# KiCad board SofleKeyboard.kicad_pcb (continued)
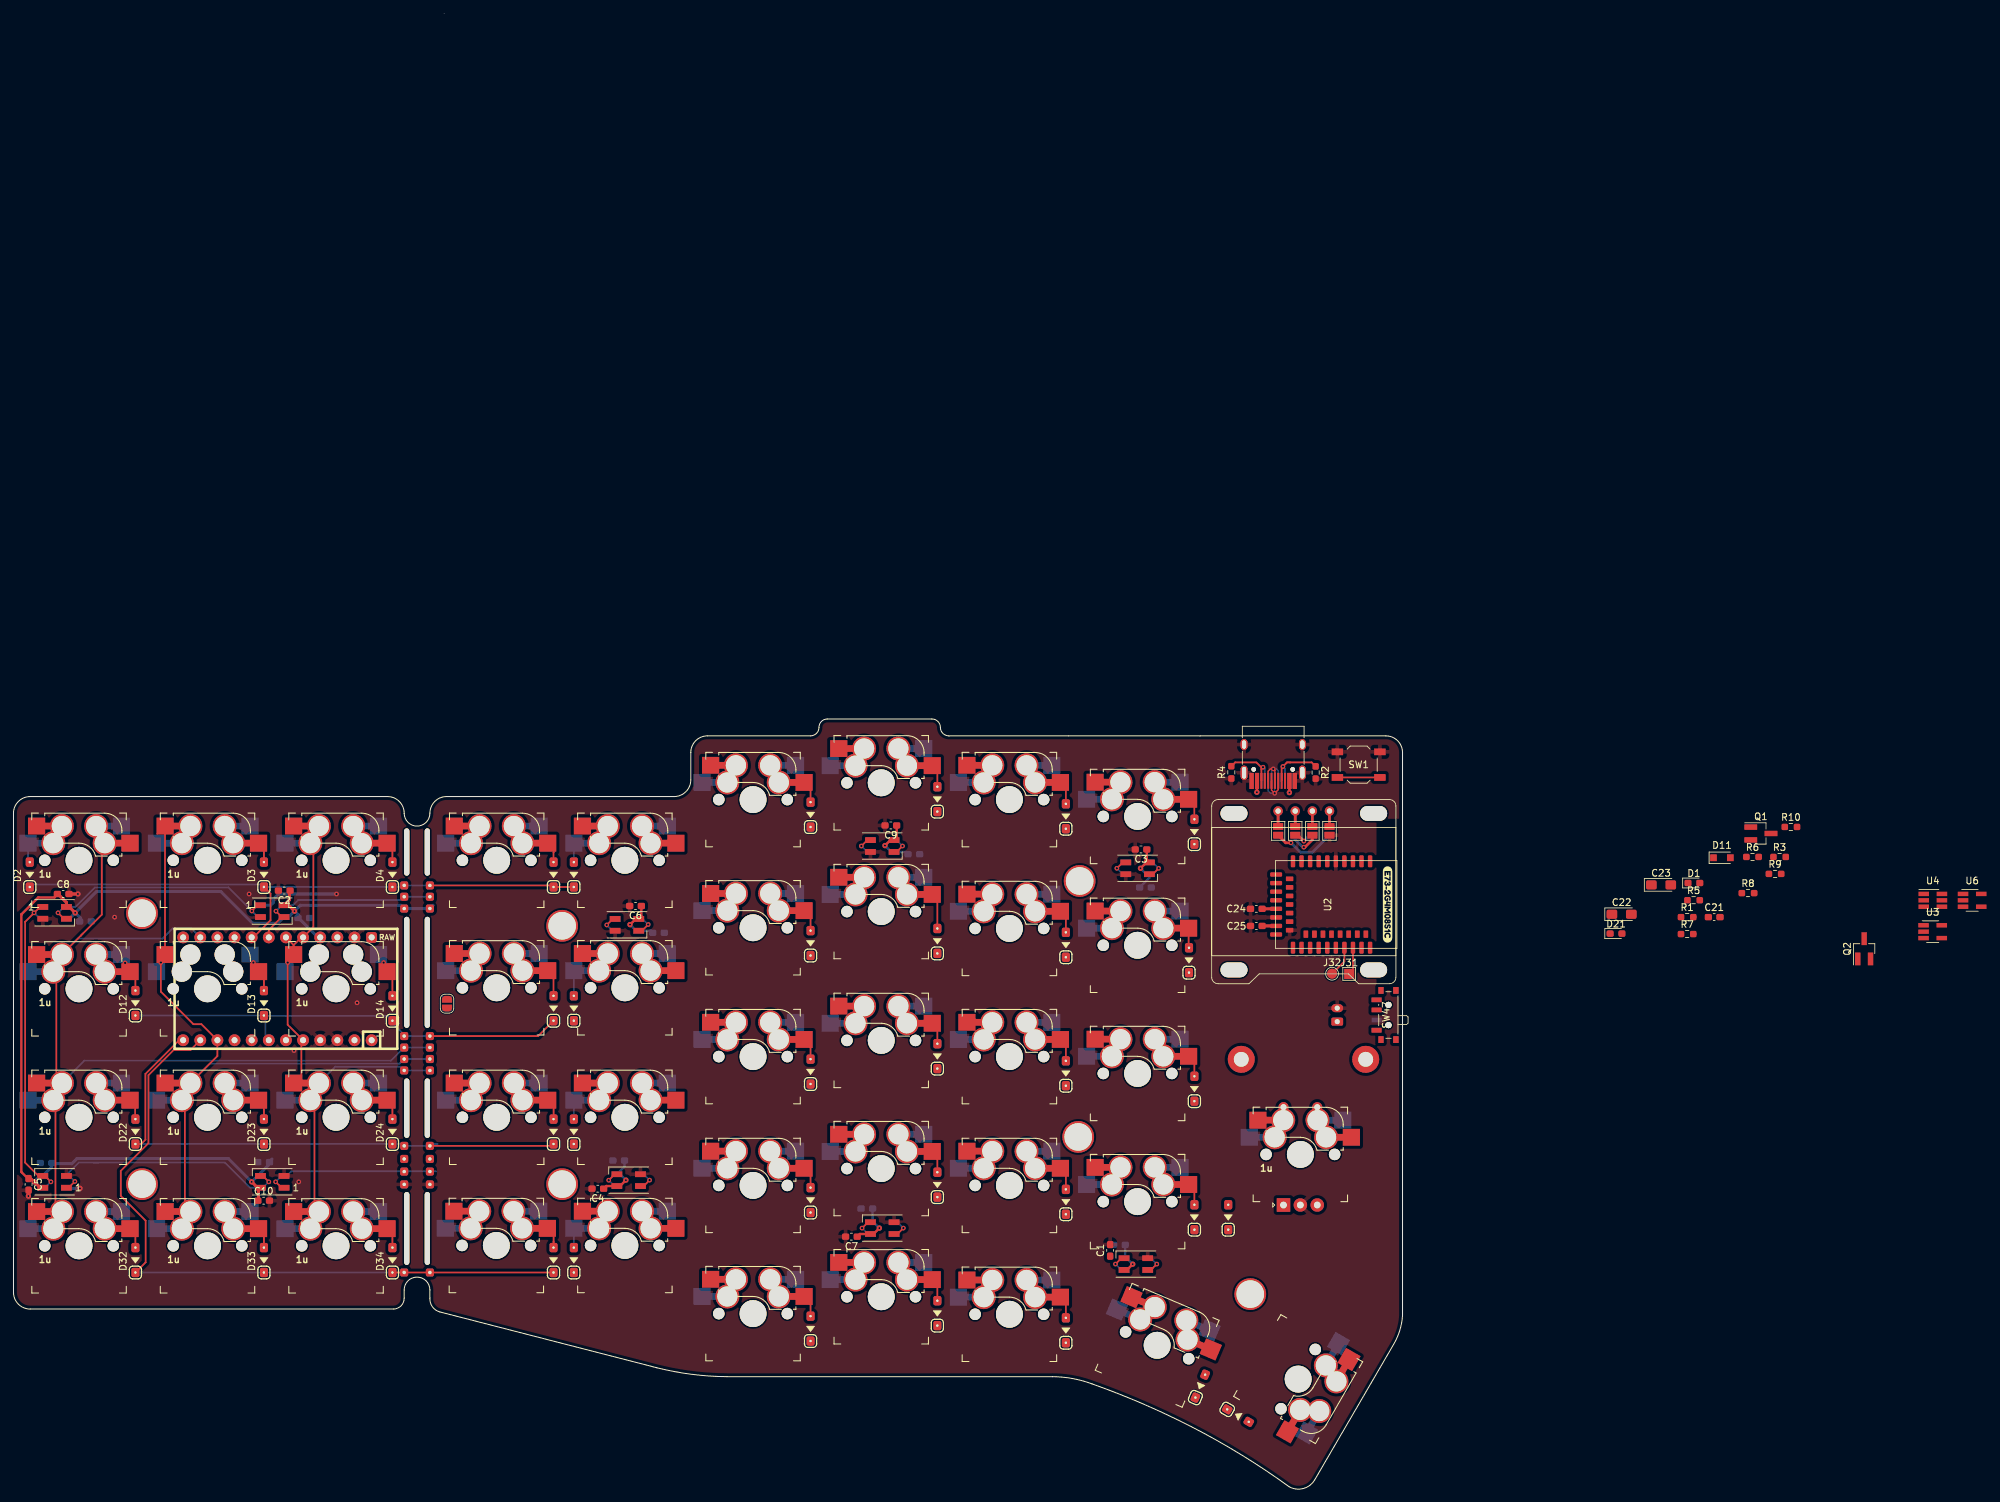
[diagram p0: board, top side]
## Placement (name value [footprint] x y rotation side) (continued)
U4  USBLC6-2SC6  [SOT-23-6_Handsoldering]  284.5 87.2 0 top
U6  TP4054  [SOT-23-5_HandSoldering]  290.33 87.2 0 top

## Library data of the parts
C1-C21 = -: Description: Unpolarized capacitor, small symbol
C22 C23 = -: Description: Polarized capacitor, small US symbol
C24 C25 = -: Description: Unpolarized capacitor
D1 D21 = -: Description: Light emitting diode; LCSC: C375446; LCSC Part Number: C375446
D11 = -: Description: Schottky diode, small symbol
J2 J5 = -: Description: USB 2.0-only Type-C Receptacle connector
J3 = -: Description: Generic connector, single row, 01x04, script generated (kicad-library-utils/schlib/autogen/connector/)
J4 = -: Description: Generic connector, single row, 01x02, script generated (kicad-library-utils/schlib/autogen/connector/)
J6-J29 J31 J32 = -: Description: Generic connector, single row, 01x01, script generated (kicad-library-utils/schlib/autogen/connector/)
JP1-JP10 = -: Description: Solder Jumper, 2-pole, open
Q1 Q2 = -: Description: P-MOSFET transistor, gate/source/drain
R1 R3 R6-R10 = -: Description: Resistor, small symbol
R5 = -: Description: Resistor, small symbol; LCSC: C21190; LCSC Part Number: C21190
SW1 = -: Description: Push button switch, generic, two pins
SW47 SW48 = -: Description: Momentary Switch, single pole double throw
U1 = -: Field4: U1; Field5: ProMicro
U3 = -: Description: 500mA low dropout linear regulator, fixed 3.3V output, SOT-23-5
U4 = -: Description: Very low capacitance ESD protection diode, 2 data-line, SOT-23-6
U6 = -: Description: Single cell, Li-Ion/Li-Po charge management controller, 4.35V, Tri-State Status Output, in SOT23-5 package

## Footprints (pads in the part's own frame, mm; a bottom-side part is the same pattern mirrored in y, then rotated)
128x64OLED
  oval 4x2.2 hole 4x2.2 unplated: (-10.35,11.6) (-10.35,-11.6) (10.35,11.6) (10.35,-11.6)
  round 1.4 hole 0.8: 1(-3.81,11.95) 2(-1.27,11.95) 3(1.27,11.95) 4(3.81,11.95)
C_0603_1608Metric_Pad1.08x0.95mm_HandSolder
  rrect 1.075x0.95 smd: 1(-0.863,0) 2(0.863,0)
Conn_01x01
  rrect 1.2x1.2 hole 0.5: 1(0,0)
CP_EIA-3216-12_Kemet-S_Pad1.58x1.35mm_HandSolder
  rrect 1.575x1.35 smd: 1(-1.438,0) 2(1.438,0)
Cut_hole
  oval 0.762x16.45 hole 0.762x16.45 unplated: (0,-0.85)
Cut_hole#2
  oval 0.762x8.8 hole 0.762x8.8 unplated: (0,0)
Cut_hole#3
  oval 0.762x7 hole 0.762x7 unplated: (0,0)
Cut_hole#4
  oval 0.762x10.8 hole 0.762x10.8 unplated: (0,0)
D_SOD-323_HandSoldering
  rect 1x1 smd: 1(-1.25,0) 2(1.25,0)
Diode
  rrect 1.39x1.2 hole 0.35: 1(1.693,0) 2(-1.997,0)
E73-2G4M08S1C
  rrect 1.77x0.65 smd: 1(-6.401,14.03) 2(-6.401,12.76) 3(-6.401,11.49) 4(-6.401,10.22) 5(-6.401,8.95) 6(-6.401,7.68) 7(-6.401,6.41) 8(-6.401,5.14) 9(-6.401,3.87) 10(-6.401,2.6) 26(6.401,2.6) 27(6.401,3.87) 29(6.401,5.14) 31(6.401,6.41) 33(6.401,7.68) 35(6.401,8.95) 37(6.401,10.22) 39(6.401,11.49) 41(6.401,12.76) 43(6.401,14.03)
  rrect 0.65x1.77 smd: 11(-4.44,0.102) 13(-3.17,0.102) 15(-1.9,0.102) 17(-0.63,0.102) 19(0.64,0.102) 21(1.91,0.102) 23(3.18,0.102) 25(4.45,0.102)
  rrect 0.7x1.1 smd: 12(-3.81,2.1) 14(-2.54,2.1) 16(-1.27,2.1) 18(0,2.1) 20(1.27,2.1) 22(2.54,2.1) 24(3.81,2.1)
  rrect 1.1x0.7 smd: 28(4.4,4.505) 30(4.4,5.775) 32(4.4,7.045) 34(4.4,8.315) 36(4.4,9.585) 38(4.4,10.855) 40(4.4,12.125) 42(4.4,13.395)
Econder
  rect 2x2 hole 1: A(-2.5,-7.5)
  round 2 hole 1: B(2.5,-7.5) C(0,-7.5)
  round 1.5 hole 0.9: S1(-2.5,7) S2(2.5,7)
HOLE_M2_TH
  round 4.7 hole 4.1: (0,0)
JST_PH_S2B-PH-K_1x02_P2.00mm_Horizontal
  rrect 1.2x1.75 hole 0.75: 1(0,0)
  oval 1.2x1.75 hole 0.75: 2(2,0)
LED_0603_1608Metric_Pad1.05x0.95mm_HandSolder
  rrect 1.05x0.95 smd: 1(-0.875,0) 2(0.875,0)
M2_HOLE_PCB
  round 4 hole 2.2: (0,0)
PRO-MICRO
  round 1.753 hole 0.9: B1(7.62,-6.35) B2(7.62,-11.43) B3(7.62,-8.89) B4(-7.62,-11.43) B5(-7.62,-13.97) B6(7.62,-13.97) C6(-7.62,-3.81) D0(-7.62,1.27) D1(-7.62,3.81) D2(-7.62,11.43) D3(-7.62,13.97) D4(-7.62,-1.27) D7(-7.62,-6.35) E6(-7.62,-8.89) F4(7.62,3.81) F5(7.62,1.27) F6(7.62,-1.27) F7(7.62,-3.81) GND(-7.62,6.35) GND(-7.62,8.89) GND(7.62,11.43) RST(7.62,8.89) VCC(7.62,6.35)
  rrect 1.6x1.6 hole 0.9: RAW(7.62,13.97)
R_0603_1608Metric_Pad0.98x0.95mm_HandSolder
  rrect 0.975x0.95 smd: 1(-0.912,0) 2(0.912,0)
SK6812MINI-FLIP
  rect 1.6x0.85 smd: +(1.75,0.875) -(-1.75,-0.875) I(1.75,-0.875) O(-1.75,0.875)
  rect 1.6x0.85 smd far side: +(1.75,-0.875) -(-1.75,0.875) I(1.75,0.875) O(-1.75,-0.875)
SolderJumper-2_P1.3mm_Open_Pad1.0x1.5mm
  rect 1x1.5 smd: 1(-0.65,0) 2(0.65,0)
SolderJumper-2_P1.3mm_Open_RoundedPad1.0x1.5mm
  custom 1x1.5 smd: 1(-0.65,0) 2(0.65,0)
SOT-23-5_HandSoldering
  rect 1.56x0.65 smd: 1(-1.35,0.95) 2(-1.35,0) 3(-1.35,-0.95) 4(1.35,-0.95) 5(1.35,0.95)
SOT-23-6_Handsoldering
  rect 1.56x0.65 smd: 1(-1.35,0.95) 2(-1.35,0) 3(-1.35,-0.95) 4(1.35,-0.95) 5(1.35,0) 6(1.35,0.95)
SOT-23_Handsoldering
  rect 1.9x0.8 smd: 1(-1.5,0.95) 2(-1.5,-0.95) 3(1.5,0)
SW-HS-Flip-1u
  round 1.702 hole 1.702 unplated: (-5.08,0) (5.08,0)
  round 3 hole 3 unplated: (-3.81,2.54) (-2.54,5.08) (2.54,5.08) (3.81,2.54)
  round 3.988 hole 3.988 unplated: (0,0)
  rect 2.55x2.5 smd far side: 1(-7.56,2.54)
  rect 2.55x2.5 smd: 1(-6.29,5.08) 2(7.56,2.54)
  rect 2.55x2.35 smd far side: 2(6.29,5.08)
SW-HS-Flip-1u#2
  round 1.702 hole 1.702 unplated: (-5.08,0) (5.08,0)
  round 3 hole 3 unplated: (-3.81,2.54) (-2.54,5.08) (2.54,5.08) (3.81,2.54)
  round 3.988 hole 3.988 unplated: (0,0)
  rect 2.55x2.5 smd far side: 1(-7.56,2.54) 2(6.29,5.08)
  rect 2.55x2.5 smd: 1(-6.29,5.08) 2(7.56,2.54)
SW-HS_flip-1u
  round 1.702 hole 1.702 unplated: (-5.08,0)
  round 3.988 hole 3.988 unplated: (0,0)
  round 1.7 hole 1.7 unplated: (5.08,0)
  rect 2.55x2.5 smd far side: 1(-7.56,2.54) 2(6.29,5.08)
  rect 2.55x2.5 smd: 1(-6.29,5.08) 2(7.56,2.54)
  rect 2.5x1 smd far side: 1(-5.715,2.54) 2(5.015,5.08)
  rect 2.5x1 smd: 1(-5.015,5.08) 2(5.715,2.54)
  round 3.55 hole 3: 1(-3.81,2.54) 1(-2.54,5.08) 2(2.54,5.08) 2(3.81,2.54)
SW_SPDT_PCM12
  rect 1x0.8 smd: (-3.65,0.78) (-3.65,-1.43) (3.65,0.78) (3.65,-1.43)
  round 0.9 hole 0.9 unplated: (-1.5,-0.33) (1.5,-0.33)
  rect 0.7x1.5 smd: 1(-2.25,1.43) 2(0.75,1.43) 3(2.25,1.43)
SW_SPST_TL3342
  rect 1.7x1 smd: 1(-3.15,1.9) 1(3.15,1.9) 2(-3.15,-1.9) 2(3.15,-1.9)
TestPoint_Pad_1.5x1.5mm
  rect 1.5x1.5 smd: 1(0,0)
TestPoint_Pad_D1.5mm
  round 1.5 smd: 1(0,0)
USB-C-16pin-hight-v2
  round 0.65 hole 0.65 unplated: (-2.89,-2.605) (2.89,-2.605)
  rect 0.6x2.363 smd: A1(3.2,-4.318) A4(2.4,-4.318) A9(-2.4,-4.318) A12(-3.2,-4.318) B1(-3.2,-4.318) B4(-2.4,-4.318) B9(2.4,-4.318) B12(3.2,-4.318)
  rect 0.3x2.366 smd: A5(1.25,-4.31) A6(0.25,-4.31) A7(-0.25,-4.31) A8(-1.25,-4.31) B5(-1.75,-4.31) B6(-0.75,-4.31) B7(0.75,-4.31)
  rect 0.305x2.366 smd: B8(1.75,-4.31)
  oval 1x1.6 hole 0.6x1.2: S1(-4.32,1.075) S1(4.32,1.075)
  oval 1x2.1 hole 0.6x1.7: S1(-4.32,-3.105) S1(4.32,-3.105)

## Nets
+3.3V: Q2.3
+3V3: C1.1 C2.1 C3.1 C4.1 C5.1 C6.1 C7.1 C8.1 C9.1 C10.1 C11.1 C12.1 C13.1 C14.1 C15.1 C16.1 C17.1 C18.1 C19.1 C20.1 J24.1 J25.1 J26.1 J27.1 LED1.+ LED2.+ LED3.+ LED4.+ LED5.+ LED6.+ LED7.+ LED8.+ LED9.+ LED10.+ U1.VCC
+5V: D11.2 D21.2 J2.A4 J2.A9 J2.B4 J2.B9 J5.A4 J5.A9 J5.B4 J5.B9 Q1.1 R8.1 U2.27 U4.5 U6.4
GND: C1.2 C2.2 C3.2 C4.2 C5.2 C6.2 C7.2 C8.2 C9.2 C10.2 C11.2 C12.2 C13.2 C14.2 C15.2 C16.2 C17.2 C18.2 C19.2 C20.2 C21.2 C22.2 C23.2 C24.2 C25.2 J2.A1 J2.A12 J2.B1 J2.B12 J2.S1 J4.2 J5.A1 J5.A12 J5.B1 J5.B12 J5.S1 J16.1 J17.1 JP1.1 JP8.1 LED1.- LED2.- LED3.- LED4.- LED5.- LED6.- LED7.- LED8.- LED9.- LED10.- R2.2 R4.1 R5.1 R6.2 R7.2 R8.2 R10.2 SW1.1 SW31.C U1.GND U2.5 U2.21 U2.24 U3.2 U4.2 U6.2
VBAT: Q1.3 R1.1 SW47.2 SW48.2 U6.3
3.3_TOP: JP2.1 JP7.1
BATTERY_PIN: C21.1 R3.2 R7.1
col0: SW5.1 SW15.1 SW25.1 SW36.1 SW42.1
col1: SW6.2 SW16.2 SW26.2 SW37.2 SW43.1
col1': J18.1 J19.1 SW2.2 SW12.1 SW22.1 SW33.1 U1.B2
col2: SW7.1 SW17.1 SW27.1 SW38.1 SW44.1
col2': J20.1 J21.1 SW3.1 SW13.1 SW23.1 SW34.1 U1.E6
col3: SW8.1 SW18.1 SW28.1 SW39.1 SW45.1
col3': J22.1 J23.1 SW4.1 SW14.1 SW24.1 SW35.1 U1.D1 U1.F4 U1.F5
col4: SW9.1 SW19.1 SW29.1 SW40.1 SW46.1
D+: U2.31 U4.3
D-: U2.29 U4.1
DP+: J2.A6 J2.B6 J5.A6 J5.B6 U4.4
DP-: J2.A7 J2.B7 J5.A7 J5.B7 U4.6
ENCA: SW31.A
ENCB: SW31.B
LED_1: D1.2
nRF_VDD: C23.1 C24.1 C25.1 Q2.2 U2.19 U2.23 U3.5
POWER_PIN: Q2.1 R6.1
RGB_BLACKPILL: LED1.I
RGB_PROMICRO: J14.1 J15.1 JP9.1 JP10.1 LED3.O LED4.I U1.F6
row0: D2.1 D3.1 D4.1 D5.1 D6.1 D7.1 D8.1 D9.1 D10.1 J6.1 J7.1 U1.F7
row1: D12.1 D13.1 D14.1 D15.1 D16.1 D17.1 D18.1 D19.1 D20.1 J8.1 J9.1 U1.D4
row2: D22.1 D23.1 D24.1 D25.1 D26.1 D27.1 D28.1 D29.1 D30.1 J10.1 J11.1 U1.B5
row3: D32.1 D33.1 D34.1 D35.1 D36.1 D37.1 D38.1 D39.1 D40.1 J12.1 J13.1 U1.B4
row4: D41.1 D42.1 D43.1 D44.1 D45.1 D46.1
RST: SW1.2 U2.26
SCL: JP3.1 JP6.1
SDA: JP4.1 JP5.1
SW25A: SW10.1 SW20.1 SW30.1 SW31.S2 SW41.1 SW49.2
SW25B: D46.2 SW31.S1 SW49.1
SWCLK: J31.1 U2.39
SWDIO: J32.1 U2.37
Net-(D1-K): D1.1 R5.2
Net-(D2-A): D2.2 SW2.1
Net-(D3-A): D3.2 SW3.2
Net-(D4-A): D4.2 SW4.2
Net-(D5-A): D5.2 SW5.2
Net-(D6-A): D6.2 SW6.1
Net-(D7-A): D7.2 SW7.2
Net-(D8-A): D8.2 SW8.2
Net-(D9-A): D9.2 SW9.2
Net-(D10-A): D10.2 SW10.2
Net-(D11-K): C22.1 D11.1 Q1.2 U3.1 U3.3
Net-(D12-A): D12.2 SW12.2
Net-(D13-A): D13.2 SW13.2
Net-(D14-A): D14.2 SW14.2
Net-(D15-A): D15.2 SW15.2
Net-(D16-A): D16.2 SW16.1
Net-(D17-A): D17.2 SW17.2
Net-(D18-A): D18.2 SW18.2
Net-(D19-A): D19.2 SW19.2
Net-(D20-A): D20.2 SW20.2
Net-(D21-K): D21.1 R9.1
Net-(D22-A): D22.2 SW22.2
Net-(D23-A): D23.2 SW23.2
Net-(D24-A): D24.2 SW24.2
Net-(D25-A): D25.2 SW25.2
Net-(D26-A): D26.2 SW26.1
Net-(D27-A): D27.2 SW27.2
Net-(D28-A): D28.2 SW28.2
Net-(D29-A): D29.2 SW29.2
Net-(D30-A): D30.2 SW30.2
Net-(D32-A): D32.2 SW33.2
Net-(D33-A): D33.2 SW34.2
Net-(D34-A): D34.2 SW35.2
Net-(D35-A): D35.2 SW36.2
Net-(D36-A): D36.2 SW37.1
Net-(D37-A): D37.2 SW38.2
Net-(D38-A): D38.2 SW39.2
Net-(D39-A): D39.2 SW40.2
Net-(D40-A): D40.2 SW41.2
Net-(D41-A): D41.2 SW42.2
Net-(D42-A): D42.2 SW43.2
Net-(D43-A): D43.2 SW44.2
Net-(D44-A): D44.2 SW45.2
Net-(D45-A): D45.2 SW46.2
Net-(J2-CC1): J2.A5 J5.B5 R2.1
Net-(J2-CC2): J2.B5 J5.A5 R4.2
Net-(J3-Pin_1): J3.1 JP1.2 JP5.2
Net-(J3-Pin_2): J3.2 JP2.2 JP6.2
Net-(J3-Pin_3): J3.3 JP3.2 JP7.2
Net-(J3-Pin_4): J3.4 JP4.2 JP8.2
Net-(J4-Pin_1): J4.1 SW47.1 SW48.3
Net-(J28-Pin_1): J28.1 J29.1 JP9.2 JP10.2 LED7.O LED8.I
Net-(LED1-OUT): LED1.O LED2.I
Net-(LED2-OUT): LED2.O LED3.I
Net-(LED4-OUT): LED4.O LED5.I
Net-(LED5-OUT): LED5.O LED6.I
Net-(LED6-OUT): LED6.O LED7.I
Net-(LED8-OUT): LED8.O LED9.I
Net-(LED10-IN): LED9.O LED10.I
Net-(R1-Pad2): R1.2 R3.1
Net-(SW47-C): SW47.3 SW48.1
Net-(U6-PROG): R10.1 U6.5
Net-(U6-STAT): R9.2 U6.1

Pads without a net: J2 A8 B8; J5 A8 B8; LED10 O; U1 B1 B3 B6 C6 D0 D2 D3 D7 RAW RST; U2 1 2 3 4 6 7 8 9 10 11 12 13 14 15 16 17 18 20 22 25 28 30 32 33 34 35 36 38 40 41 42 43; U3 4

## Via types
v1: diameter 0.7, hole 0.35, Top to Bottom, 38 vias
v2: diameter 0.8, hole 0.3, Top to Bottom, 15 vias

## Routing (per net, layer and track width the routed paths; a pad name or vN(x,y) marks a point on that pad's centre or on a via; arc(x,y) is an arc through that point)
+3V3: length 213.5
  Top w0.35: v2(3.08,45.46) 2.68,45.86 2.24,45.86 1.17,46.92 1.17,85.11 3.68,87.63 6.08,87.63 6.59,88.13 ; v2(167.06,91.94) 167.93,92.82 LED1.+ 167.99,93.2 C3.1 ; v2(91.39,83.59) 92.23,84.44 LED3.+ 93.06,84.82 C6.1 ; C9.1 130.91,96.5 LED2.+ 129.98,96.12 v2(129.18,95.31) ; v2(128.35,38.6) 127.47,37.73 LED9.+ 125.46,37.73 C7.1 ; C4.1 87.87,44.84 LED8.+ 89.9,44.84 v2(90.78,45.72) ; v2(165.9,33.26) 165.04,32.4 LED10.+
  Top w0.45: 40.91,88.64 40.91,87.27 LED4.+ 40.78,86.47 v2(41.66,85.59) ; 6.59,88.13 7.85,86.88 LED5.+ 8.27,86.22 v2(9.14,85.34) ; 36.31,42.67 36.31,44.29 LED7.+ 36.18,44.59 v2(35.31,45.46) ; v2(3.08,45.46) 3.95,44.59 LED6.+
  Bottom w0.35: LED1.+ 167.93,91.07 v2(167.06,91.94) ; LED1.+ 168.4,91.04 ; LED1.+ 168.37,90.54 C15.1 ; v2(129.18,95.31) 130.12,94.37 LED2.+ 132.24,94.37 C11.1 ; C12.1 90.58,47.73 LED8.+ 89.9,46.59 v2(90.78,45.72) ; v2(91.39,83.59) 92.29,82.69 LED3.+ 94.45,82.69 C18.1 ; C13.1 164.79,34.32 LED10.+ 165.01,34.15 v2(165.9,33.26) ; C20.1 127.35,39.81 LED9.+ 127.47,39.48 v2(128.35,38.6)
  Bottom w0.45: U1.VCC 45.13,81.7 42.25,84.58 42.25,85 v2(41.66,85.59) ; 62.2,86.46 J25.1 J24.1 57.43,86.46 42.52,86.46 v2(41.66,85.59) ; v2(41.66,85.59) 40.78,84.72 LED4.+ 39.2,83.82 35.41,83.82 30.72,88.51 12.31,88.51 v2(9.14,85.34) ; v2(9.14,85.34) 8.27,84.47 7.85,84.47 ; v2(9.14,85.34) 9.89,84.59 9.89,84.07 9.89,84.57 ; 38.33,48.86 37.86,48.38 37.86,48.02 36.6,46.76 LED7.+ 36.18,46.34 v2(35.31,45.46) 31.85,48.92 9.41,48.92 8.65,48.16 5.7,48.16 5.6,48.26 5.6,47.59 LED6.+ 3.95,46.34 v2(3.08,45.46)
+5V: length 6.9
  Top w0.35: J2.A4 189.13,103.17 v2(189.13,103.17) ; J2.A9 184.33,103.24 v2(184.31,103.22)
  Bottom w0.35: J2.A9 184.33,103.24 v2(184.31,103.22) ; J2.A4 189.13,103.17 v2(189.13,103.17) 189.08,103.22
GND: length 17.1
  Top w0.25: 2.43,44.59 2,44.59
  Top w0.45: 8.14,88.13 v2(9.55,88.13) ; v2(2.21,43.35) 2.24,43.38 2.24,44.31
  Bottom w0.45: LED4.- 38.11,86.47 38.49,86.85 38.49,87.36 39.27,88.13 v1(47.88,88.13) ; v2(9.86,44.5) 7.94,44.5 LED6.-
  vias: v1(14.99,84.71) v1(34.92,88.13) v1(41.58,64.92) v1(42.29,45.46) v1(50.93,72.01)
3.3_TOP: length 4.8
  Top w0.4: v1(191.26,95.08) 191.42,95.08 192.53,96.19 JP7.1
  Bottom w0.4: v1(191.26,95.08) 191.1,95.08 189.99,96.19 JP2.1
col1': length 142.4
  Top w0.25: SW22.1 4.57,60.24 3.3,60.24 3.09,60.45 ; SW22.1 5.9,56.81 6.64,56.07 ; SW22.1 6.27,57.57 6.35,57.65 6.35,76.7 6.27,76.62 SW12.1 ; SW22.1 6.22,57.25 6.22,42.54 7.17,41.59 SW33.1 6.64,41.59 ; 3.3,79.28 SW12.1 3.09,78.82 ; 9.98,81.97 13.08,85.07 13.08,94.1 13.52,94.55 SW2.2 ; 9.98,81.97 10.29,82.27 ; 9.98,81.97 SW12.1 ; SW2.2 17.55,95.67 18.07,95.15
  Bottom w0.25: U1.B2 26.33,83.05 23.62,83.05 22.1,81.53 9.54,81.53 SW12.1 ; SW22.1 10.5,63.43 55.97,63.43 J19.1 J18.1 ; SW12.1 2.15,76.98
col2': length 109.3
  Top w0.25: v1(21.84,77.97) 21.84,73.66 26.67,68.83 27.86,68.83 U1.E6 30.23,64.11 SW23.1 ; v1(21.84,77.97) 21.84,78.53 SW13.1 ; v1(21.84,77.97) 22.47,78.6 SW13.1 ; SW23.1 21.84,60.74 ; 21.34,42.2 SW34.1 ; SW34.1 21.84,41.69 ; SW34.1 21.93,41.06 ; 22.61,79.16 SW13.1 ; SW13.1 22.46,79.18 22.46,98.19 SW3.1 21.34,97.07 ; SW34.1 25.4,41.88 25.4,56.38 24.95,56.83 SW23.1 25.29,57.57 25.56,57.85 ; 25.56,38.54 25.54,38.52 SW34.1 ; SW3.1 24.95,95.54 25.56,94.93
  Bottom w0.25: 61.76,63.63 J21.1 J20.1 57.22,62.98 29.1,62.98 SW23.1 ; v1(21.84,77.97) 21.2,77.33 SW13.1
col3': length 82.3
  Top w0.25: SW4.1 44,94.65 ; SW4.1 44.45,95.22 44.45,83.22 U1.F4 42.66,81.7 41.52,80.56 ; SW4.1 44,94.65 ; 44,94.65 44.44,94.22 44,94.65 ; 41.52,80.56 U1.F5 ; 41.52,80.56 SW14.1 40.64,78.28 v1(40.64,77.97) 40.64,68.75 U1.D1 42.67,66.21 42.67,60.24 SW24.1 ; SW35.1 44.47,38.52 44.61,38.67 44.61,57.59 44.59,57.57
  Bottom w0.25: v1(40.64,77.97) 40.25,77.59 SW14.1 ; J22.1 J23.1 57.35,62.54 47.7,62.54 SW24.1
DP+: length 8.4
  Top w0.2: J2.A6 186.98,106.44 v1(186.74,106.68) 186.31,106.68 185.98,106.34 J2.B6
  Bottom w0.2: J5.B6 187.48,106.4 187.2,106.68 v1(186.74,106.68) 186.48,106.41 J5.A6
DP-: length 8.5
  Top w0.2: J2.B7 187.48,103.6 v1(186.94,103.07) 186.48,103.54 J2.A7
  Bottom w0.2: J5.A7 186.94,104.87 v1(186.94,103.07) 186.33,103.07 185.98,103.43 J5.B7
nRF_VDD: length 4.1
  Top w0.45: 187.16,83.4 C25.1 ; U2.19 C24.1
RGB_BLACKPILL: length 3.5
  Top w0.25: LED1.I 168.87,91.07 v1(169.75,91.94)
  Bottom w0.25: LED1.I 168.87,92.82 v1(169.75,91.94)
RGB_PROMICRO: length 33.5
  Top w0.25: 61.72,87.88 J15.1 ; LED4.I 39.78,84.72 v1(38.91,85.59) ; LED4.I 40.29,84.54 ; LED4.I 39.77,84.72 37.85,82.8 U1.F6 ; LED3.O 88.83,84.44 v1(87.94,83.55)
  Bottom w0.25: v1(87.94,83.55) 88.79,82.69 LED3.O ; v1(38.91,85.59) 39.78,86.47 LED4.I 41.43,86.47 42.21,87.25 57.43,87.25 J14.1 J15.1 62.03,87.42
row0: length 90.7
  Top w0.25: D6.1 D5.1 79.82,89.4 J7.1 ; D3.1 38.1,88.19 38.1,84.24 35.56,81.7 U1.F7
  Bottom w0.25: 2.41,89.17 D2.1 2.8,89.56 36.74,89.56 D3.1 D4.1 57.68,89.17 J6.1 J7.1 61.95,89.17
row1: length 68.5
  Top w0.25: D15.1 77.77,67.07 J8.1
  Bottom w0.25: U1.D4 37.34,66.97 37.34,69.91 D13.1 ; D12.1 D13.1 ; D13.1 37.12,70.06 40.42,70.06 ; 40.42,70.06 55.46,70.06 D14.1 56.17,69.02 57.91,67.27 J9.1 J8.1 ; 40.42,70.06 40.39,70.03
row2: length 82.6
  Top w0.25: D25.1 79.77,50.8 J11.1 ; U1.B5 24.55,66.46 19.56,61.46 19.56,51.71 18.92,51.07 D22.1
  Bottom w0.25: 62.89,51.07 62,51.07 J11.1 J10.1 57.64,51.07 D24.1 D22.1
row3: length 104.9
  Top w0.25: U1.B4 26.25,65.02 23.75,65.02 20.01,61.28 20.01,51.2 15.9,47.09 15.9,43.38 19.59,39.69 19.59,33.54 D32.1 ; D35.1 J13.1 J12.1 D34.1
  Bottom w0.25: D34.1 D32.1
RST: length 6.3
  Top w0.25: SW1.2 SW1.2
SCL: length 3.3
  Top w0.4: JP6.1 190.39,96.85 v1(191.26,95.98)
  Bottom w0.4: JP3.1 192.14,96.85 v1(191.26,95.98)
SDA: length 9.7
  Top w0.4: v1(189.36,95.72) 188.58,95.72 JP5.1
  Bottom w0.4: JP4.1 192.55,94.33 190.75,94.33 v1(189.36,95.72)
SW25A: length 1.9
  Top w0.25: 193.29,52.83 193.25,52.87 193.25,54.75
SW25B: length 1.9
  Top w0.25: 188.21,52.83 188.25,52.87 188.25,54.75
SWCLK: length 4.1
  Top w0.25: U2.39 198.55,76.85 J31.1
SWDIO: length 4.6
  Top w0.25: J32.1 197.28,78.14 U2.37
Net-(D2-A): length 4.1
  Top w0.25: 6.73,94.84 SW2.1
  Bottom w0.25: SW2.1 2.15,93.12 D2.2
Net-(D3-A): length 3.1
  Top w0.25: D3.2 37.12,94.52 36.32,95.32 SW3.2
Net-(D4-A): length 3.2
  Top w0.25: SW4.2 55.4,95.67 56.17,94.9 D4.2
Net-(D5-A): length 3.2
  Top w0.25: D5.2 80.05,94.32 80.06,94.33 80.06,94.79 SW5.2
Net-(D6-A): length 2.8
  Bottom w0.25: SW6.1 83.07,92.87 D6.2
Net-(D7-A): length 3.3
  Top w0.25: SW7.2 118.15,103.71 D7.2
Net-(D8-A): length 3.4
  Top w0.25: D8.2 136.94,106.4 SW8.2
Net-(D9-A): length 3.5
  Top w0.25: SW9.2 155.99,103.86 D9.2
Net-(D10-A): length 3.3
  Top w0.25: D10.2 175.03,99.23 175.03,101.32 SW10.2
Net-(D12-A): length 6.3
  Top w0.25: D12.2 18.07,75.98 17.43,76.62 SW12.2 17.27,77.19 v1(16.55,77.91)
  Bottom w0.25: SW12.2 16.55,78.62 v1(16.55,77.91)
Net-(D13-A): length 6.3
  Top w0.25: v1(35.56,77.97) 36.32,77.21 SW13.2 36.48,76.62 37.12,75.98 D13.2
  Bottom w0.25: v1(35.56,77.97) 35.56,78.65 SW13.2
Net-(D14-A): length 6.2
  Top w0.25: 56.17,73.81 56.17,75.85 55.4,76.62 SW14.2 55.37,77.47 v1(54.86,77.97)
  Bottom w0.25: SW14.2 54.86,78.4 v1(54.86,77.97)
Net-(D15-A): length 4.1
  Top w0.25: SW15.2 80.05,75.91 D15.2
Net-(D16-A): length 3.7
  Bottom w0.25: D16.2 83.07,73.05 SW16.1
Net-(D17-A): length 3.4
  Top w0.25: D17.2 118.15,84.71 SW17.2
Net-(D18-A): length 5.4
  Top w0.25: D18.2 136.94,87.31 SW18.2
Net-(D19-A): length 3.5
  Top w0.25: SW19.2 155.99,84.76 D19.2
Net-(D20-A): length 2.9
  Top w0.25: SW20.2 174.19,80.22 D20.2
Net-(D22-A): length 3.1
  Top w0.25: D22.2 18.03,54.8 18.03,56.81 SW22.2
Net-(D23-A): length 3.1
  Top w0.25: SW23.2 36.32,57.34 37.12,56.55 D23.2
Net-(D24-A): length 3.4
  Top w0.25: D24.2 56.17,57.18 55.78,57.57 SW24.2
Net-(D25-A): length 3.2
  Top w0.25: SW25.2 80.06,56.69 80.06,54.78 D25.2
Net-(D26-A): length 3.7
  Bottom w0.25: D26.2 83.07,54.77 SW26.1 83.07,57.17 83.41,56.82
Net-(D27-A): length 3.3
  Top w0.25: SW27.2 118.15,65.61 D27.2
Net-(D28-A): length 3.3
  Top w0.25: D28.2 136.94,68.21 SW28.2
Net-(D29-A): length 3.5
  Top w0.25: SW29.2 155.99,65.76 D29.2
Net-(D30-A): length 3.3
  Top w0.25: SW30.2 175.04,63.21 D30.2
Net-(D32-A): length 3.2
  Top w0.25: SW33.2 17.3,38.52 18.07,37.75 D32.2
Net-(D33-A): length 3.1
  Top w0.25: SW34.2 36.32,38.42 37.12,37.62 D33.2
Net-(D34-A): length 3.1
  Top w0.25: SW35.2 55.37,38.17 56.17,37.37 D34.2
Net-(D35-A): length 3.2
  Top w0.25: D35.2 80.05,36.53 80.06,36.55 80.06,37.64 SW36.2
Net-(D36-A): length 2.9
  Bottom w0.25: SW37.1 83.07,35.72 D36.2
Net-(D37-A): length 3.3
  Top w0.25: SW38.2 118.15,46.51 D37.2
Net-(D38-A): length 3.4
  Top w0.25: D38.2 136.94,49.21 SW39.2
Net-(D39-A): length 3.5
  Top w0.25: D39.2 155.99,46.66 SW40.2
Net-(D40-A): length 3.4
  Top w0.25: D40.2 175.04,44.21 SW41.2
Net-(D41-A): length 3.3
  Top w0.25: SW42.2 118.15,27.51 D41.2
Net-(D42-A): length 3.4
  Top w0.25: D42.2 136.94,30.21 SW43.2
Net-(D43-A): length 3.4
  Top w0.25: SW44.2 155.99,27.56 D43.2
Net-(J2-CC1): length 10
  Top w0.25: 189.05,107.64 189.26,107.64 ; 189.26,107.64 192.43,107.64 R2.1 ; 189.26,107.64 188.77,107.64 v1(188.16,107.03) 187.98,106.85 J2.A5
  Bottom w0.25: v1(188.16,107.03) 188.48,106.72 J5.B5
Net-(J2-CC2): length 9.5
  Top w0.25: 184.98,106.69 184.98,106.89 184.23,107.64 181.08,107.64 R4.2 ; 184.98,106.69 v1(185.22,106.93) ; 184.98,106.69 J2.B5
  Bottom w0.25: v1(185.22,106.93) 185.29,106.93 185.48,106.75 J5.A5
Net-(J3-Pin_1): length 4.6
  Top w0.4: JP5.2 J3.1
  Bottom w0.4: JP5.2 J3.1
Net-(J3-Pin_2): length 4.6
  Top w0.4: 189.99,98.15 J3.2
  Bottom w0.4: 189.99,98.15 J3.2
Net-(J3-Pin_3): length 4.6
  Top w0.4: JP7.2 J3.3
  Bottom w0.4: JP7.2 J3.3
Net-(J3-Pin_4): length 4.6
  Top w0.4: 195.07,98.15 J3.4
  Bottom w0.4: 195.07,98.15 J3.4
Net-(J28-Pin_1): length 29.2
  Top w0.25: LED7.O 39.74,44.59 v1(38.86,45.46) ; v1(88.23,45.71) 89.11,46.59 LED8.I
  Bottom w0.25: 62.65,47.02 41.18,47.02 40.5,46.34 LED7.O 39.74,46.34 v1(38.86,45.46) ; LED8.I 89.09,44.84 v1(88.23,45.71)
Net-(LED1-OUT): length 6.6
  Top w0.25: v1(131.78,95.25) 130.9,94.37 LED2.I ; v1(163.55,91.94) 164.43,92.82 LED1.O
  Bottom w0.25: v1(131.78,95.25) 130.9,96.12 LED2.I ; LED1.O 164.43,91.07 v1(163.55,91.94)
Net-(LED2-OUT): length 6.9
  Top w0.25: v1(94.08,83.61) 93.16,82.69 LED3.I ; LED2.O 126.55,96.12 v1(125.68,95.25)
  Bottom w0.25: v1(94.08,83.61) 93.26,84.44 LED3.I ; LED2.O 126.55,94.37 v1(125.68,95.25)
Net-(LED4-OUT): length 37.5
  Top w0.25: v1(6.6,85.34) 7.48,84.47 7.85,84.47 ; LED4.O 36.18,86.47 v1(35.33,85.62)
  Bottom w0.25: 34.73,86.22 v1(35.33,85.62) ; v1(35.33,85.62) 31.84,89.11 12.06,89.11 9.17,86.22 LED5.I 7.48,86.22 v1(6.6,85.34) ; v1(35.33,85.62) 36.23,84.72 LED4.O
Net-(LED5-OUT): length 48.7
  Top w0.25: LED5.O 4.57,86.22 ; LED5.O 4.83,86.22 ; LED5.O 3.92,86.22 v1(3.05,85.34) 1.72,84.01 1.72,48.32 3.7,46.34 LED6.I 4.67,46.34 v1(5.54,45.46)
  Bottom w0.25: v1(3.05,85.34) 3.92,84.47 4.83,84.47 ; LED6.I 4.67,44.59 v1(5.54,45.46)
Net-(LED6-OUT): length 38.3
  Top w0.25: LED6.O 8.17,44.59 v1(9.1,45.52) ; v1(37.85,45.46) 36.97,46.34 LED7.I
  Bottom w0.25: 11.9,48.32 12.54,48.32 ; 12.54,48.32 31.36,48.32 35.09,44.59 LED7.I 36.97,44.59 v1(37.85,45.46) ; 12.54,48.32 9.66,48.32 7.85,46.5 LED6.O 8.28,46.34 v1(9.1,45.52)
Net-(LED8-OUT): length 6.6
  Top w0.25: LED9.I 126.66,39.48 v1(125.78,38.6) ; v1(94.28,45.72) 93.41,44.84 LED8.O
  Bottom w0.25: v1(125.78,38.6) 126.66,37.73 LED9.I ; LED8.O 93.41,46.59 v1(94.28,45.72)
Net-(LED10-IN): length 6.7
  Top w0.25: v1(163.35,33.27) 164.22,34.15 LED10.I ; v1(131.9,38.6) 131.03,37.73 LED9.O
  Bottom w0.25: LED10.I 164.22,32.4 v1(163.35,33.27) ; LED9.O 131.03,39.48 v1(131.9,38.6)
unconnected-(LED10-OUT): length 3.4
  Top w0.25: LED10.O 168.59,32.4 v1(169.47,33.27)
  Bottom w0.25: LED10.O 168.59,34.15 v1(169.47,33.27)

## Copper pours and planes (outline as drawn; the poured copper is in the pictures)
GND on Top, Bottom: 207.56,-2.86 -21.04,-2.86 -21.04,117.79 207.56,117.79
